# KiCad board jetson-agx-thor-baseboard.kicad_pcb (continued)
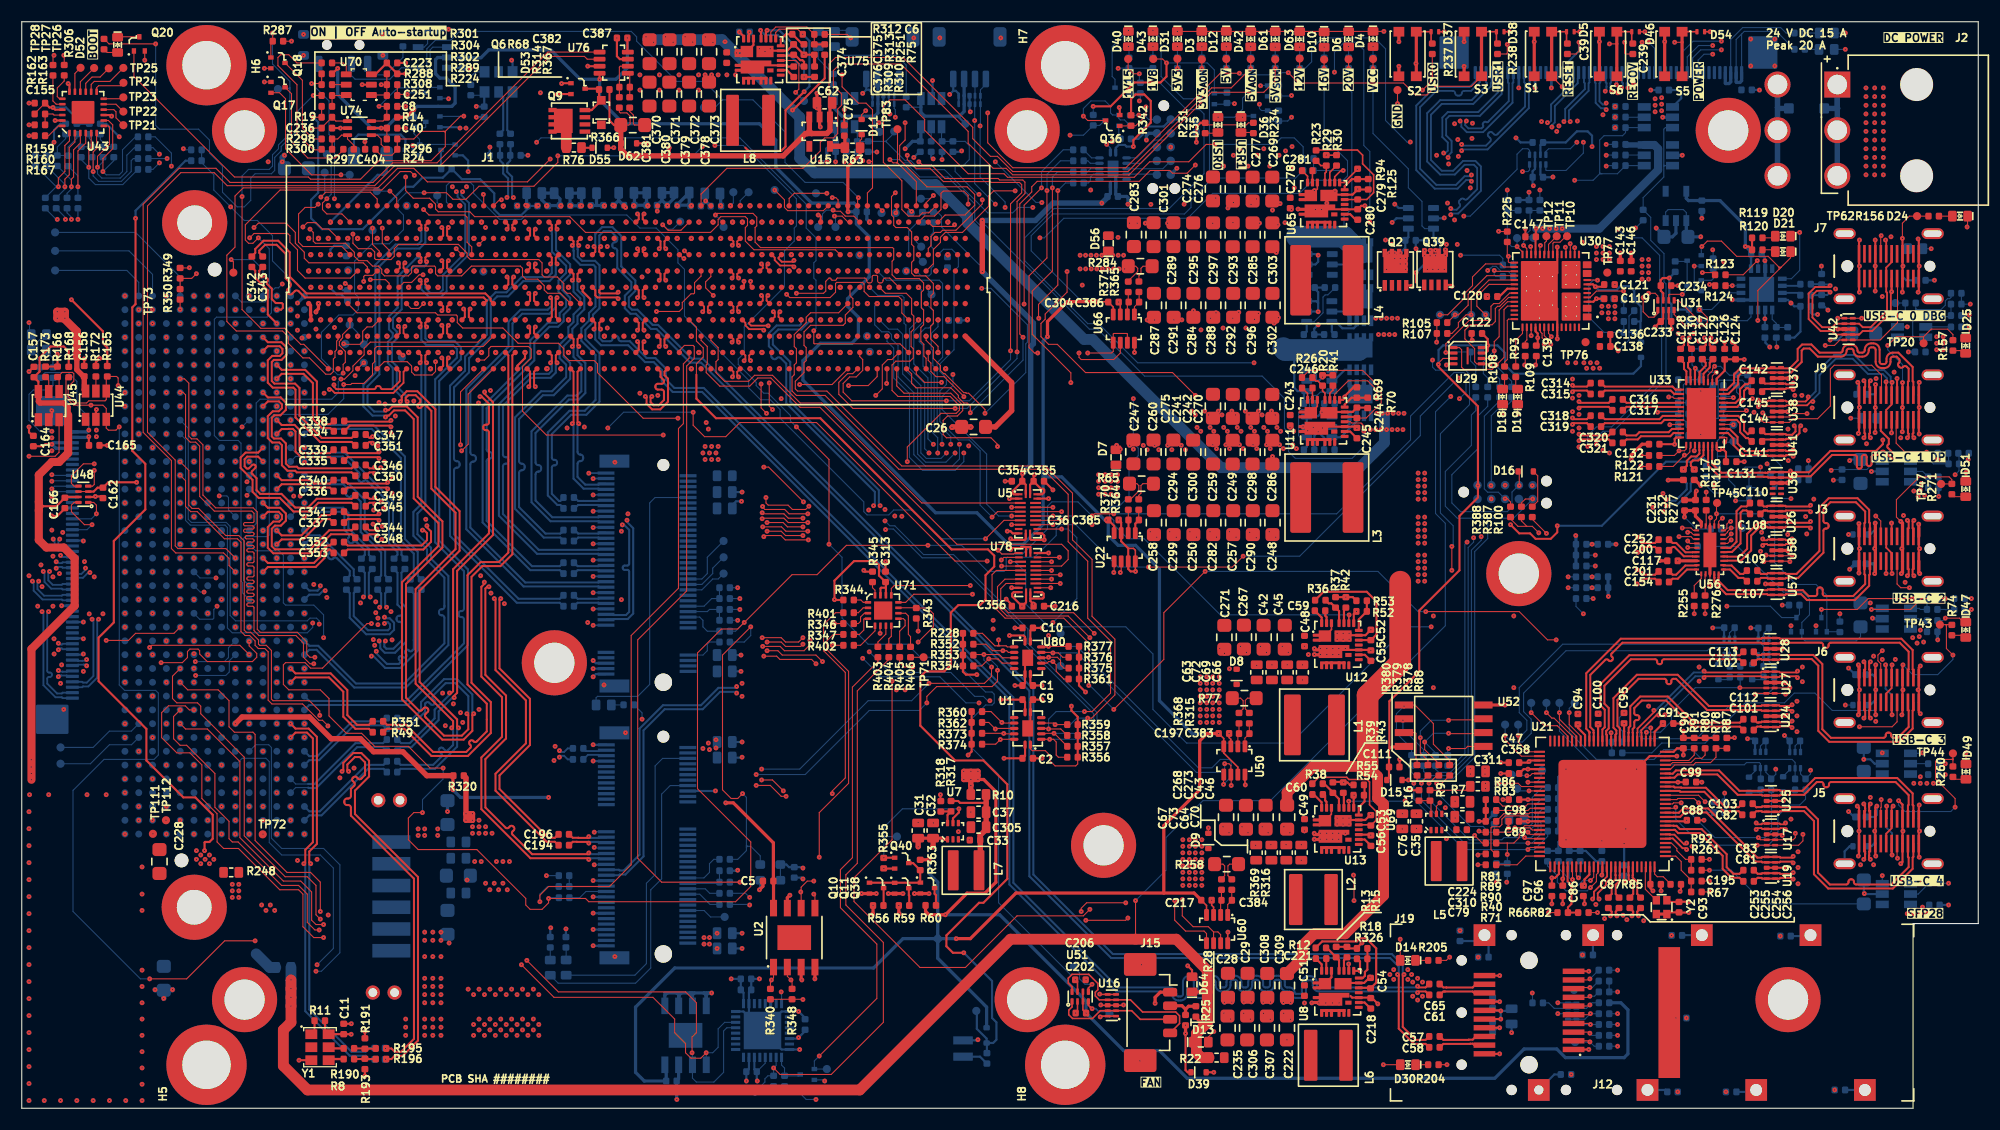
[diagram p0: board, top side]
## Routing (per net, layer and track width the routed paths; a pad name or vN(x,y) marks a point on that pad's centre or on a via; arc(x,y) is an arc through that point) (continued)
  In5.Cu w0.1: v1(81.97,40.61) 81.97,60.76 84.97,63.76 84.97,64.31 91.67,71.01 91.67,82.44 89.99,84.11 v1(88.07,84.11)
  Bottom w0.1: v1(88.07,84.11) 87.97,84.11 85.87,86.21 85.87,86.71 ; 85.87,86.71 82.29,86.71 81.79,87.21 81.27,87.21 79.54,88.94 ; 85.87,86.71 86.57,86.71 87.17,87.31 87.17,88.61 86.79,88.99 R244.2 R243.1 84.62,89.04 U55.4 ; 79.54,88.94 79.54,89.05 ; 79.54,88.94 79.49,88.99 ; 79.54,89.05 79.49,88.99 ; 79.54,89.05 80.27,89.77 TP97.1 ; 79.49,88.99 R236.2 R235.1 76.87,90.09 U53.4
/Peripherals/I2C_{CONN}.SCL: length 91.9
  Top w0.1: U80.11 94.42,41.46 v1(94.47,41.51) 95.27,41.51 95.57,41.21 95.57,40.81 95.87,40.51 R375.2
  In5.Cu w0.1: v1(90.47,82.91) 90.47,70.74 85.21,65.49 84.91,65.49 84.69,65.27 84.69,63.98 81.34,60.64 81.34,60.07 81.07,59.79 81.07,55.23 81.57,54.73 81.57,53.24 81.07,52.74 81.07,38.71 v1(81.27,38.51) ; v1(80.37,91.21) 80.97,91.81 85.09,91.81 86.49,90.41 v1(88.17,90.41)
  In7.Cu w0.1: v1(94.47,41.51) 92.27,41.51 89.27,38.51 v1(81.27,38.51)
  Bottom w0.1: v1(80.37,91.21) 80.37,91.91 80.27,92.01 U67.1 U67.10 80.27,93.81 80.7,94.24 J16.4 ; v1(90.47,82.91) 90.47,83.41 88.17,85.71 v1(88.17,90.41) 88.2,90.44 U68.1 U68.10 88.2,93.74 88.7,94.24 J17.4
/Peripherals/I2C_{CONN}.SDA: length 93.7
  Top w0.1: R361.2 95.87,39.51 95.17,40.21 95.17,40.81 v1(94.87,41.11) 94.47,41.11 94.33,40.97 U80.10
  In5.Cu w0.1: v1(89.57,83.21) 89.57,70.56 85.92,66.91 85.92,66.48 85.13,65.69 84.83,65.69 84.49,65.35 84.49,65.28 84.47,65.25 84.47,64.14 80.84,60.51 80.84,55.18 81.37,54.65 81.37,54.34 81.33,54.3 81.33,53.74 80.57,52.99 80.57,38.61 v1(80.47,38.51) ; v1(87.67,90.91) 87.67,92.11 87.27,92.51 80.87,92.51 v1(79.87,91.51)
  In7.Cu w0.1: v1(94.87,41.11) 92.47,41.11 89.47,38.11 80.87,38.11 v1(80.47,38.51)
  Bottom w0.1: J17.3 U68.9 U68.2 87.67,92.38 v1(87.67,90.91) 87.67,85.11 v1(89.57,83.21) ; J16.3 79.77,94.66 U67.9 U67.2 79.77,91.61 v1(79.87,91.51)
/Peripherals/TPM_IRQ: length 53.3
  Top w0.1: R404.2 79.77,41.31 76.87,38.41 76.87,22.54 75.82,21.49 75.82,18.71 79.27,15.26 79.27,7.91 74.47,3.11 69.77,3.11 v1(69.17,3.71)
  Bottom w0.1: U14.18 69.4,3.94 v1(69.17,3.71) R230.1 68.65,2.99 68.37,2.71 68.37,2.41 TP96.1
/Peripherals/TPM_RST: length 44.2
  Top w0.1: v1(73.37,4.81) 78.67,10.11 78.67,15.11 75.32,18.46 75.32,21.96 76.42,23.06 76.42,38.76 78.77,41.11 R403.2
  Bottom w0.1: TP95.1 Q1.1 72.92,4.36 v1(73.37,4.81)
/Power/USBPD1_HV: length 8.5
  Bottom w0.1: U61.1 117.62,61.76 117.47,61.91 117.47,64.01 117.77,64.31 118.27,64.31 118.47,64.51 118.47,65.21 118.87,65.61 119.17,65.61 119.47,65.91 120.44,65.91 U63.6
  Bottom w0.2: U61.1 118.22,60.87 C38.2
  vias: v1(142.22,68.61) v1(142.97,68.61) v1(143.72,68.61) v1(143.97,68.11) v1(144.32,68.61) v1(144.57,68.11) v1(144.92,68.61) v1(145.17,68.11)
/Power/USBPD2_HV: length 6.1
  Bottom w0.1: U62.1 118.89,72.38 119.72,73.21 119.72,74.66 119.92,74.86 120.16,74.86 C266.2
  Bottom w0.2: C240.2 118.21,71.48 U62.1
  vias: v1(149.07,78.11) v1(149.07,77.51) v1(149.07,76.91) v1(149.07,76.31) v1(149.67,78.11) v1(149.67,77.51) v1(149.67,76.91) v1(149.67,76.31)
/Recovery USB/USB0.D+: length 193.5
  Top w0.17: v1(36.65,76.21) 36.78,76.09 36.78,75.84 J1.F12 ; J3.A6 171.53,51.6 172.03,51.1 J3.B6 172.03,49.25 v1(172.07,49.21) ; v1(160.17,52.4) 160.29,52.28 160.56,52.28 160.64,52.35 U58.1 U58.10 162.24,52.35 162.31,52.28 162.74,52.28 v1(162.87,52.4)
  In7.Cu w0.125: v1(172.07,49.21) 171.91,49.37 171.91,49.98 171.57,50.32 166.52,50.32 165.12,51.72 164.12,51.72 163.63,52.21 163.06,52.21 v1(162.87,52.4) ; v1(160.17,52.4) 160.36,52.21 160.7,52.21 161.01,52.52 161.01,68.11 162.26,69.36 162.26,70.56 161.62,71.2 159.62,71.2 158.42,72.4 157.12,72.4 156.26,73.26 156.26,75.86 149.72,82.4 133.02,82.4 129.72,85.7 89.82,85.7 88.36,87.16 88.36,88.46 80.42,96.4 49.52,96.4 40.38,87.26 40.38,84.53 v1(40.56,84.36)
  Bottom w0.17: v1(40.56,84.36) 40.44,84.25 40.44,84.03 41.14,83.33 41.14,78.59 39.09,76.54 39.09,75.19 38.59,74.69 37.45,74.69 36.78,75.36 36.78,76.09 v1(36.65,76.21)
/Recovery USB/USB0.D-: length 196.7
  Top w0.17: v1(162.87,51.8) 162.74,51.93 162.31,51.93 162.24,51.85 U58.9 U58.2 160.64,51.85 160.56,51.93 160.29,51.93 v1(160.17,51.8) ; v1(172.02,53.86) 172.03,53.85 J3.A7 ; J1.F13 37.12,75.84 37.12,76.09 v1(37.25,76.21) ; v1(171.52,49.21) 171.53,49.22 J3.B7
  In2.Cu w0.125: v1(172.02,53.86) 172.02,51.86 171.52,51.36 v1(171.52,49.21)
  In7.Cu w0.125: v1(171.52,49.21) 171.68,49.37 171.68,49.89 171.47,50.1 166.42,50.1 165.02,51.5 164.02,51.5 163.53,51.99 163.06,51.99 v1(162.87,51.8) ; v1(160.17,51.8) 160.36,51.99 160.8,51.99 161.23,52.42 161.23,68.01 162.48,69.26 162.48,70.66 161.72,71.42 159.72,71.42 158.52,72.62 157.22,72.62 156.48,73.36 156.48,75.96 149.82,82.62 133.12,82.62 129.82,85.92 89.92,85.92 88.58,87.26 88.58,88.56 80.52,96.62 49.42,96.62 40.16,87.36 40.16,84.53 v1(39.98,84.36)
  Bottom w0.17: v1(39.98,84.36) 40.09,84.25 40.09,83.89 40.79,83.19 40.79,78.73 38.74,76.68 38.74,75.33 38.45,75.04 37.59,75.04 37.12,75.5 37.12,76.09 v1(37.25,76.21)
/Recovery USB/USBC2_ADDR: length 16.9
  Top w0.1: v1(157.27,52.31) 156.94,51.98 U56.22
  In5.Cu w0.1: v1(144.47,51.91) 144.37,51.81 144.37,50.71 144.57,50.51 149.67,50.51 150.27,51.11 156.07,51.11 v1(157.27,52.31)
  Bottom w0.3: R253.2 v1(144.47,51.91) R252.1
/Recovery USB/USBC2_CC1: length 30.4
  Top w0.1: v1(170.57,54.51) 171.03,54.05 J3.A5 ; U56.2 153.79,52.79 153.57,53.01 v1(153.27,53.01) ; v1(162.67,50.31) 162.63,50.35 U58.6 U58.5 160.31,50.35 v1(160.27,50.31)
  In5.Cu w0.1: v1(160.27,50.31) 159.57,50.31 158.87,51.01 158.87,54.11 157.77,55.21 155.47,55.21 v1(153.27,53.01)
  In7.Cu w0.1: v1(170.57,54.51) 169.37,53.31 167.97,53.31 167.07,52.41 163.77,52.41 162.97,53.21 162.27,53.21 161.87,52.81 161.87,50.61 162.17,50.31 v1(162.67,50.31)
/Recovery USB/USBC2_CC2: length 33.4
  Top w0.1: U56.1 153.8,53.18 153.57,53.41 v1(152.77,53.41) ; J3.B5 172.53,48.25 172.87,47.91 v1(173.67,47.91) ; v1(162.87,50.91) 162.81,50.85 U58.7 U58.4 160.53,50.85 v1(160.47,50.91)
  In5.Cu w0.1: v1(160.47,50.91) 160.27,50.91 160.07,50.71 159.67,50.71 159.17,51.21 159.17,54.51 158.17,55.51 154.87,55.51 v1(152.77,53.41)
  In7.Cu w0.1: v1(173.67,47.91) 171.57,47.91 170.87,47.21 166.57,47.21 165.77,48.01 165.77,49.61 164.47,50.91 v1(162.87,50.91)
/Recovery USB/USBC2_CONN_TX1_N: length 18.6
  Top w0.19: C107.1 159.7,48.51 160,48.81 160.54,48.81 160.54,48.81 160.58,48.81 160.64,48.75 U57.7 U57.4 162.24,48.75 162.3,48.81 163.43,48.81 165.75,51.13 165.75,53.16 arc(165.81,53.3) 165.95,53.36 166.03,53.36 arc(166.17,53.41) 166.23,53.56 166.23,53.66 arc(166.17,53.8) 166.03,53.86 165.95,53.86 arc(165.81,53.91) 165.75,54.06 165.75,55.13 166.4,55.78 168.74,55.78 169.59,54.92 169.59,53.92 169.53,53.86 J3.A2
/Recovery USB/USBC2_CONN_TX1_P: length 18.6
  Top w0.19: J3.A3 170.03,53.86 169.97,53.92 169.97,55.08 168.9,56.15 166.24,56.15 165.38,55.29 165.38,51.29 163.28,49.18 162.3,49.18 162.24,49.25 U57.5 U57.6 160.64,49.25 160.58,49.18 160.4,49.18 160.4,49.18 160,49.18 159.7,49.49 C109.1
/Recovery USB/USBC2_CONN_TX2_N: length 21.8
  Top w0.19: v1(164.57,54.9) 164.45,55.01 162.3,55.01 162.24,54.95 U26.4 U26.7 160.64,54.95 160.58,55.01 160.4,55.01 160.4,55.01 160.27,55.01 C108.1 ; J3.B3 173.53,49.68 173.59,49.61 173.59,49.13 v1(173.48,49.01)
  In7.Cu w0.15: v1(173.48,49.01) 173.64,49.17 173.64,50.14 173.21,50.57 172.06,50.57 171.08,51.55 171.08,54.75 169.76,56.07 167.81,56.07 arc(167.71,56.03) 167.67,55.93 167.67,55.86 arc(167.62,55.77) 167.53,55.72 167.46,55.72 arc(167.36,55.77) 167.32,55.86 167.32,55.93 arc(167.27,56.03) 167.18,56.07 166.63,56.07 165.61,55.06 164.73,55.06 v1(164.57,54.9)
/Recovery USB/USBC2_CONN_TX2_P: length 21.8
  Top w0.19: J3.B2 174.03,49.68 173.97,49.61 173.97,49.13 v1(174.08,49.01) ; C110.1 160.27,55.38 160.54,55.38 160.54,55.38 160.58,55.38 160.64,55.45 U26.6 U26.5 162.24,55.45 162.3,55.38 164.45,55.38 v1(164.57,55.5)
  In7.Cu w0.15: v1(164.57,55.5) 164.73,55.34 165.5,55.34 166.51,56.35 169.88,56.35 171.36,54.87 171.36,51.67 172.18,50.85 173.33,50.85 173.92,50.26 173.92,49.17 v1(174.08,49.01)
/Recovery USB/USBC2_DIR: length 2.3
  Top w0.1: R255.1 153.87,48.11 154.51,48.76 U56.11
/Recovery USB/USBC2_FAULT_N: length 3
  Top w0.1: v1(157.27,53.41) 156.92,53.06 156.92,53.01 156.69,52.79 U56.24
  Bottom w0.1: R256.1 156.45,53.41 v1(157.27,53.41) TP46.1
/Recovery USB/USBC2_I2C_SCL: length 23.4
  Top w0.1: U56.26 156.12,54.01 156.42,54.31 v1(156.47,54.31)
  In5.Cu w0.1: v1(156.47,54.31) 156.87,54.71 157.57,54.71 158.27,54.01 158.27,51.91 154.07,47.71 147.77,47.71 146.57,48.91 v1(144.47,48.91)
  Bottom w0.1: R280.2 144.48,48.92 v1(144.47,48.91) R282.2
  Bottom w0.3: R282.2 144.97,48.91 R280.2
/Recovery USB/USBC2_I2C_SDA: length 23.3
  Top w0.1: v1(157.22,54.01) 157.12,54.01 156.87,53.76 156.87,53.36 156.69,53.18 U56.25
  In5.Cu w0.1: v1(144.47,47.91) 143.57,47.91 143.37,48.11 143.37,52.51 144.67,53.81 151.37,53.81 152.07,53.11 152.5,53.11 153,52.61 155.82,52.61 v1(157.22,54.01)
  Bottom w0.3: R281.2 v1(144.47,47.91) R279.2
/Recovery USB/USBC2_I_MODE: length 15.1
  Top w0.1: v1(152.47,52.61) 153.57,52.61 153.79,52.39 U56.3
  In5.Cu w0.1: v1(152.47,52.61) 151.27,52.61 150.47,53.41 145.07,53.41 143.87,52.21 143.87,50.11 144.07,49.91 v1(144.77,49.91)
  Bottom w0.1: R278.1 v1(144.77,49.91)
/Recovery USB/USBC2_ID: length 98.9
  Top w0.1: U56.27 155.71,54.06 155.92,54.26 155.92,55.66 TP45.1 ; 91.74,49.9 v1(90.14,49.9)
  In7.Cu w0.1: v1(90.14,49.9) 92.22,49.9 93.81,51.49 129.85,51.49 131.47,53.11 138.67,53.11 140.07,51.71 142.27,51.71 146.67,47.31 153.47,47.31 155.92,49.76 v1(155.92,54.71)
  Bottom w0.1: v1(155.92,54.71) 159.77,54.71 161.27,53.21 161.27,50.21 163.27,48.21 165.07,48.21 166.07,47.21 Q19.1 167.24,43.86 R266.2
/Recovery USB/USBC2_ISET: length 1.6
  Bottom w0.1: R270.2 174.69,44.89 174.52,45.06 U23.5
/Recovery USB/USBC2_PEN: length 114
  Top w0.1: v1(141.17,43.11) 140.37,43.11 137.77,45.71 v1(129.17,45.71) ; v1(100.47,36.71) 105.07,41.31 105.07,45.61 v1(108.87,49.41) ; 91.74,49.5 89.66,49.5 89.27,49.11 89.27,46.31 90.47,45.11 95.87,45.11 98.17,42.81 v1(98.17,38.91)
  In5.Cu w0.1: v1(179.37,45.91) 179.02,45.91 177.52,44.41 166.47,44.41 165.17,43.11 v1(141.17,43.11)
  Bottom w0.1: v1(179.37,45.91) 179.34,45.89 R339.1 ; v1(129.17,45.71) 128.47,45.71 124.77,49.41 v1(108.87,49.41) ; v1(98.17,38.91) 98.27,38.91 v1(100.47,36.71)
/Recovery USB/USBC2_PORT: length 11.4
  Top w0.1: U56.4 153.5,51.98 v1(153.27,52.21)
  In5.Cu w0.1: v1(144.77,50.91) 146.79,52.94 150.04,52.94 150.77,52.21 v1(153.27,52.21)
  Bottom w0.1: R254.2 v1(144.77,50.91)
/Recovery USB/USBC2_RX1_N: length 18.6
  Top w0.19: U56.14 155.71,48.85 155.73,48.83 155.73,48.39 156.8,47.32 160.58,47.32 160.64,47.25 U57.10 U57.1 162.24,47.25 162.3,47.32 163.7,47.32 164.24,46.78 168.65,46.78 169.97,48.09 169.97,49.08 170.03,49.14 J3.B10
/Recovery USB/USBC2_RX1_P: length 18.6
  Top w0.19: U56.15 156.12,48.85 156.1,48.83 156.1,48.54 156.96,47.69 160.58,47.69 160.64,47.75 U57.9 U57.2 162.24,47.75 162.3,47.69 163.86,47.69 164.4,47.15 164.99,47.15 arc(165.13,47.2) 165.19,47.35 165.19,47.73 arc(165.25,47.87) 165.39,47.93 165.49,47.93 arc(165.63,47.87) 165.69,47.73 165.69,47.35 arc(165.75,47.2) 165.89,47.15 168.49,47.15 169.59,48.25 169.59,49.08 169.53,49.14 J3.B11
/Recovery USB/USBC2_RX2_N: length 28.8
  Top w0.19: J3.A11 174.03,53.33 173.97,53.39 173.97,54 v1(174.08,54.11) ; U56.18 156.89,50.39 156.9,50.4 158.17,50.4 159.1,51.33 159.1,52.71 159.91,53.52 160.58,53.52 160.64,53.45 U26.10 U26.1 162.24,53.45 162.3,53.52 164.45,53.52 v1(164.57,53.4)
  In7.Cu w0.15: v1(174.08,54.11) 173.92,54.27 173.92,55.81 172.38,57.35 164.76,57.35 163.18,55.77 163.18,54.4 164.02,53.56 164.41,53.56 v1(164.57,53.4)
/Recovery USB/USBC2_RX2_P: length 28.8
  Top w0.19: v1(173.48,54.11) 173.59,54 173.59,53.39 173.53,53.33 J3.A10 ; v1(164.57,54) 164.45,53.89 162.3,53.89 162.24,53.95 U26.2 U26.9 160.64,53.95 160.58,53.89 159.76,53.89 158.73,52.86 158.73,51.49 158.02,50.77 156.9,50.77 156.89,50.79 U56.19
  In7.Cu w0.15: v1(164.57,54) 164.41,53.84 164.14,53.84 163.46,54.52 163.46,55.65 164.88,57.07 168.34,57.07 arc(168.43,57.03) 168.48,56.93 168.48,56.75 arc(168.52,56.65) 168.62,56.61 168.69,56.61 arc(168.78,56.65) 168.83,56.75 168.83,56.93 arc(168.87,57.03) 168.97,57.07 169.04,57.07 arc(169.13,57.03) 169.18,56.93 169.18,56.75 arc(169.22,56.65) 169.32,56.61 169.39,56.61 arc(169.48,56.65) 169.53,56.75 169.53,56.93 arc(169.57,57.03) 169.67,57.07 172.26,57.07 173.64,55.69 173.64,54.27 v1(173.48,54.11)
/Recovery USB/USBC2_TX1_N: length 2.6
  Top w0.19: C107.2 158.69,48.51 158.39,48.81 157.93,48.81 157.16,49.59 U56.16
/Recovery USB/USBC2_TX1_P: length 2.7
  Top w0.19: U56.17 156.54,49.96 157.31,49.96 158.08,49.18 158.39,49.18 158.69,49.49 C109.2
/Recovery USB/USBC2_TX2_N: length 5.9
  Top w0.19: U56.20 156.89,51.18 156.9,51.2 157.35,51.2 158.13,51.98 158.13,54.81 158.34,55.02 158.68,55.02 C108.2
/Recovery USB/USBC2_TX2_P: length 5.9
  Top w0.19: C110.2 158.68,55.39 158.19,55.39 157.76,54.96 157.76,52.14 157.19,51.57 156.9,51.57 156.89,51.59 U56.21
/Recovery USB/USBC2_VBUS: length 44.3
  Top w0.1: TP47.1 177.56,57.46 R271.2 177.57,57.86 177.32,58.11 174.57,58.11 172.47,56.01 172.47,54.41 v1(172.87,54.01)
  Top w0.3: v1(172.87,54.01) 173.03,53.85 J3.A9 173.03,51.57 v1(172.97,51.51) 173.03,51.45 J3.B4 173.03,49.32 v1(172.92,49.21) ; v1(170.52,53.86) 170.53,53.85 J3.A4 170.53,51.57 v1(170.47,51.51) 170.53,51.45 J3.B9 170.53,49.27 v1(170.47,49.21)
  Bottom w0.1: C115.1 169.17,43.41 168.77,43.01 164.07,43.01 163.77,43.31 Q15.1 163.77,44.71 164.47,45.41 164.47,46.91 163.87,47.51 162.07,47.51 157.87,51.71 R267.2
  Bottom w0.2: D50.1 170.07,52.81 170.52,53.26 v1(170.52,53.86)
  Bottom w0.3: C116.1 170.37,50.11 170.47,50.01 v1(170.47,49.21) ; 170.47,53.81 v1(170.52,53.86)
/Recovery USB/USBC2_VBUS_DET: length 83.4
  Top w0.1: U78.14 90.36,50.7 v1(90.12,50.46)
  In7.Cu w0.1: v1(90.12,50.46) 89.77,50.46 89.27,49.96 89.27,48.91 91.27,46.91 96.87,46.91 98.67,48.71 122.27,48.71 126.27,44.71 139.87,44.71 141.37,46.21 v1(156.87,46.21)
  Bottom w0.1: v1(156.87,46.21) 160.87,46.21 161.92,45.16 Q15.3 163.55,45.44 R338.2
/Recovery USB/USBC2_VBUS_DET_MUX: length 1.8
  Top w0.1: U56.5 153.29,51.59 v1(153.27,51.61)
  Bottom w0.1: R267.1 154.09,51.61 v1(153.27,51.61)
/Recovery USB/USBSS0.RX+: length 155.6
  Top w0.19: v1(58.65,70.11) 58.77,70.23 58.77,70.8 J1.C34 ; C154.1 150.56,48.44 150.26,48.74 149.18,48.74 v1(149.07,48.62)
  In7.Cu w0.15: v1(149.07,48.62) 149.23,48.79 152.14,48.79 154.51,51.15 154.51,54.55 156.41,56.45 156.41,59.77 156.01,60.17 156.01,62.17 147.53,70.65 141.81,70.65 141.01,69.85 139.33,69.85 137.13,72.05 129.73,72.05 128.26,73.51 124.86,73.51 121.83,76.55 87.43,76.55 86.21,77.77 86.21,78.67 85.43,79.45 82.03,79.45 81.61,79.87 81.61,82.21 75.87,87.95 57.11,87.95 54.83,85.67 54.83,81.3 55.55,80.58 55.55,79.25 56.93,77.87 58.21,77.87 60.03,76.05 60.03,75.12 58.81,73.9 58.81,70.27 v1(58.65,70.11)
/Recovery USB/USBSS0.RX-: length 155.6
  Top w0.19: C201.1 150.56,49.41 150.26,49.11 149.18,49.11 v1(149.07,49.22) ; v1(59.25,70.11) 59.14,70.23 59.14,70.8 J1.C35
  In7.Cu w0.15: v1(59.25,70.11) 59.09,70.27 59.09,73.78 60.31,75 60.31,76.17 58.33,78.15 57.05,78.15 55.83,79.37 55.83,80.7 55.11,81.42 55.11,85.55 55.91,86.35 arc(56.05,86.41) 56.18,86.35 arc(56.32,86.3) 56.46,86.35 56.61,86.51 arc(56.66,86.64) 56.61,86.78 arc(56.55,86.92) 56.61,87.05 57.23,87.67 75.76,87.67 81.33,82.1 81.33,79.75 81.91,79.17 85.31,79.17 85.93,78.55 85.93,77.65 87.31,76.27 121.71,76.27 124.75,73.24 128.15,73.24 129.61,71.77 137.01,71.77 139.21,69.57 141.13,69.57 141.93,70.37 147.41,70.37 155.73,62.05 155.73,60.05 156.13,59.65 156.13,56.57 154.23,54.67 154.23,51.27 153.65,50.69 arc(153.54,50.64) 153.43,50.69 153.23,50.89 arc(153.12,50.93) 153,50.89 152.95,50.83 arc(152.9,50.72) 152.95,50.6 153.14,50.41 arc(153.19,50.29) 153.14,50.18 152.03,49.06 149.23,49.06 v1(149.07,49.22)
/Recovery USB/USBSS0.TX+: length 132.5
  Top w0.19: J1.K32 56.77,81.83 56.77,82.2 v1(56.65,82.31) ; v1(149.07,51.54) 149.18,51.66 150.26,51.66 150.56,51.36 C200.1
  In7.Cu w0.15: v1(149.07,51.54) 149.23,51.71 150.86,51.71 152.21,53.05 152.21,54.65 153.41,55.85 153.41,56.95 154.81,58.35 154.81,60.97 146.33,69.45 141.71,69.45 141.41,69.15 130.53,69.15 127.58,72.1 123.88,72.1 120.93,75.05 86.33,75.05 84.93,76.45 78.43,76.45 78.21,76.67 78.21,80.35 78.76,80.9 78.76,83.06 75.28,86.54 57.7,86.54 56.81,85.65 56.81,82.47 v1(56.65,82.31)
/Recovery USB/USBSS0.TX-: length 132.5
  Top w0.19: C252.1 150.56,52.33 150.26,52.03 149.18,52.03 v1(149.07,52.14) ; v1(57.25,82.31) 57.14,82.2 57.14,81.83 J1.K33
  In7.Cu w0.15: v1(149.07,52.14) 149.23,51.98 150.75,51.98 151.06,52.29 arc(151.1,52.41) 151.06,52.52 151,52.58 arc(150.95,52.69) 151,52.8 151.06,52.86 arc(151.17,52.91) 151.28,52.86 151.34,52.8 arc(151.45,52.76) 151.57,52.8 151.93,53.17 151.93,54.77 153.13,55.97 153.13,57.07 154.53,58.47 154.53,60.85 146.21,69.17 141.83,69.17 141.53,68.87 130.41,68.87 127.46,71.82 123.76,71.82 120.81,74.77 86.21,74.77 84.81,76.17 78.31,76.17 77.93,76.55 77.93,80.47 78.48,81.02 78.48,82.95 75.17,86.26 59.09,86.26 arc(58.99,86.22) 58.95,86.12 58.95,85.86 arc(58.91,85.76) 58.81,85.72 58.74,85.72 arc(58.64,85.76) 58.6,85.86 58.6,86.12 arc(58.56,86.22) 58.46,86.26 57.81,86.26 57.09,85.53 57.09,82.47 v1(57.25,82.31)
/Recovery USB/USBSS_RX_N: length 3
  Top w0.19: C154.2 151.57,48.44 151.88,48.74 152.36,48.74 153.21,49.59 U56.10
/Recovery USB/USBSS_RX_P: length 3.1
  Top w0.19: C201.2 151.57,49.41 151.88,49.11 152.21,49.11 153.05,49.96 154.09,49.96 U56.9
/Recovery USB/USBSS_TX_N: length 3.1
  Top w0.19: C200.2 151.57,51.36 151.88,51.66 152.06,51.66 152.92,50.8 153.73,50.8 153.74,50.79 U56.7
/Recovery USB/USBSS_TX_P: length 3.1
  Top w0.19: U56.6 153.74,51.18 153.73,51.17 153.07,51.17 152.21,52.03 151.88,52.03 151.57,52.33 C252.2
/Recovery USB/~{USBC2_EN_CC}: length 1.5
  Top w0.1: R277.2 154.97,53.64 U56.29
/Recovery USB/~{USBC2_EN_MUX}: length 2
  Top w0.1: U56.12 154.87,49.14 R276.2
/Recovery USB/~{USBC2_INT_R}: length 22.2
  Top w0.1: v1(157.27,52.86) 156.79,52.39 U56.23
  In5.Cu w0.1: v1(157.27,52.86) 157.72,52.86 157.87,52.71 157.87,52.11 155.47,49.71 150.87,49.71 150.57,50.01 147.87,50.01 147.37,49.51 144.17,49.51 143.77,49.11 143.77,48.61 143.97,48.41 144.87,48.41 145.27,48.01 145.27,47.31 144.87,46.91 v1(144.57,46.91)
  Bottom w0.1: R283.2 v1(144.57,46.91)
/Recovery USB/~{USBC2_INT}: length 71.7
  Top w0.1: 91.74,50.3 v1(90.94,50.3)
  In7.Cu w0.1: v1(129.67,44.31) 142.47,44.31 v1(143.67,45.51)
  Bottom w0.1: R283.1 142.99,46.19 v1(143.67,45.51) ; v1(90.94,50.3) 91.38,50.3 92.37,49.31 92.37,46.41 94.47,44.31 101.57,44.31 104.07,41.81 104.07,36.71 107.17,33.61 116.77,33.61 127.47,44.31 v1(129.67,44.31)
/SFP/I2C_{SFP}.SCL: length 87.6
  Top w0.1: R360.2 89.17,36.51 v1(90.17,35.51) 90.27,35.51 90.33,35.45 U1.10
  In7.Cu w0.1: v1(90.17,35.51) 91.62,35.51 92.82,36.71 94.07,36.71 95.58,38.22 95.58,42.72 97.57,44.71 106.32,44.71 121.48,29.55 122.86,29.55 123.67,28.74 123.67,24.36 129.57,18.46 137.82,18.46 142.67,13.61 142.67,9.36 143.82,8.21 145.57,8.21 146.07,8.71 v1(146.82,8.71)
  Bottom w0.1: R186.1 146.81,8.7 v1(146.82,8.71)
/SFP/I2C_{SFP}.SDA: length 94.1
  Top w0.1: R362.2 88.97,35.51 v1(89.57,34.91) 89.67,34.91 89.72,34.96 U1.11
  In7.Cu w0.1: v1(89.57,34.91) 89.65,34.99 91.6,34.99 92.97,36.36 94.22,36.36 95.93,38.07 95.93,42.57 97.72,44.36 106.17,44.36 121.31,29.22 122.65,29.22 123.32,28.55 123.32,24.21 129.42,18.11 137.67,18.11 142.32,13.46 142.32,5.46 143.32,4.46 144.32,4.46 145.07,5.21 145.07,7.21 145.57,7.71 v1(146.82,7.71)
  Bottom w0.1: R185.1 v1(146.82,7.71)
/SFP/MOD_ABS: length 234.6
  Top w0.1: v1(20.97,80.11) 21.37,80.51 24.47,80.51 24.67,80.31 24.67,79.71 25.37,79.01 25.37,77.11 26.07,76.41 30.25,76.41 J1.G6
  In7.Cu w0.1: v1(20.97,80.11) 20.97,77.26 20.34,76.64 20.34,70.79 19.87,70.31 12.07,70.31 9.27,67.51 8.87,67.51 7.87,66.51 7.87,62.11 7.37,61.61 7.37,48.51 4.47,45.61 4.47,39.61 7.27,36.81 7.27,16.31 9.72,13.86 22.87,13.86 23.74,12.99 25.77,12.99 27.17,11.59 39.29,11.59 40.17,10.71 40.17,10.21 40.52,9.86 65.62,9.86 66.07,9.41 78.37,9.41 80.37,11.41 85.67,11.41 93.77,19.51 98.37,19.51 102.17,15.71 115.67,15.71 120.87,10.51 126.57,10.51 127.52,9.56 131.57,9.56 132.62,10.61 v1(138.97,10.61)
  Bottom w0.1: v1(138.97,10.61) 138.99,10.59 R187.1
/SFP/SCL_SFP: length 4.6
  Top w0.1: v1(144.32,8.71) 144.22,8.61 J12.5
  Bottom w0.1: R186.2 144.33,8.7 v1(144.32,8.71) 143.81,8.2 U73.9 U73.2
/SFP/SDA_SFP: length 4.4
  Top w0.1: J12.4 144.22,7.81 v1(144.32,7.71)
  Bottom w0.1: R185.2 v1(144.32,7.71) 144.31,7.7 U73.1
/SFP/SFI.RX+: length 126.7
  Top w0.19: v1(52.65,71.71) 52.77,71.83 52.77,72.3 J1.D28 ; v1(128.42,10.64) 128.53,10.75 129.15,10.75 129.46,10.44 C61.2
  Bottom w0.19: v1(128.42,10.64) 128.3,10.75 119.36,10.75 arc(118.95,10.92) 118.78,11.34 118.78,11.57 arc(118.71,11.72) 118.56,11.79 118.36,11.79 arc(118.21,11.72) 118.15,11.57 118.15,10.64 arc(118.01,10.3) 117.67,10.16 117.21,10.16 arc(116.87,10.3) 116.73,10.64 arc(116.7,10.72) 116.62,10.75 116.42,10.75 arc(116,10.92) 115.83,11.34 115.83,11.61 arc(115.77,11.77) 115.62,11.83 115.42,11.83 arc(115.27,11.77) 115.2,11.61 115.2,11.34 arc(115.03,10.92) 114.62,10.75 114.42,10.75 arc(114,10.92) 113.83,11.34 113.83,11.61 arc(113.77,11.76) 113.62,11.83 113.42,11.83 arc(113.27,11.76) 113.2,11.61 113.2,11.34 arc(113.03,10.92) 112.62,10.75 112.42,10.75 arc(112,10.92) 111.83,11.34 111.83,11.61 arc(111.77,11.76) 111.62,11.83 111.42,11.83 arc(111.27,11.76) 111.2,11.61 111.2,11.34 arc(111.03,10.92) 110.62,10.75 110.42,10.75 arc(110,10.92) 109.83,11.34 109.83,11.61 arc(109.77,11.76) 109.62,11.83 109.42,11.83 arc(109.27,11.76) 109.2,11.61 109.2,10.64 arc(109.06,10.29) 108.72,10.15 108.32,10.15 arc(107.98,10.29) 107.83,10.64 107.83,11.61 arc(107.77,11.76) 107.62,11.83 107.42,11.83 arc(107.27,11.76) 107.2,11.61 107.2,10.51 arc(107.03,10.09) 106.62,9.92 106.42,9.92 arc(106,10.09) 105.83,10.51 105.83,10.53 arc(105.77,10.69) 105.62,10.75 100.71,10.75 90.86,20.6 90.86,37.66 62.59,65.93 59.89,65.93 58.88,66.93 58.88,67.93 58.14,68.68 57.34,68.68 55.79,70.23 53.29,70.23 52.77,70.75 52.77,71.6 v1(52.65,71.71)
/SFP/SFI.RX-: length 126.7
  Top w0.19: C65.2 129.46,11.44 129.15,11.12 128.53,11.12 v1(128.42,11.24) ; J1.D29 53.14,72.3 53.14,71.83 v1(53.25,71.71)
  Bottom w0.19: v1(53.25,71.71) 53.14,71.6 53.14,70.91 53.45,70.6 54.13,70.6 arc(54.29,70.66) 54.35,70.82 54.35,70.87 arc(54.41,71.03) 54.57,71.09 54.68,71.09 arc(54.84,71.03) 54.9,70.87 54.9,70.82 arc(54.96,70.66) 55.12,70.6 55.95,70.6 57.5,69.05 58.3,69.05 59.25,68.09 59.25,67.09 60.05,66.3 62.75,66.3 91.23,37.81 91.23,20.75 100.86,11.12 105.62,11.12 arc(106.03,10.95) 106.2,10.53 106.2,10.51 arc(106.27,10.36) 106.42,10.29 106.62,10.29 arc(106.77,10.36) 106.83,10.51 106.83,11.61 arc(107,12.03) 107.42,12.2 107.62,12.2 arc(108.03,12.03) 108.2,11.61 108.2,10.64 arc(108.24,10.55) 108.32,10.52 108.72,10.52 arc(108.8,10.55) 108.83,10.64 108.83,11.61 arc(109,12.03) 109.42,12.2 109.62,12.2 arc(110.03,12.03) 110.2,11.61 110.2,11.34 arc(110.27,11.18) 110.42,11.12 110.62,11.12 arc(110.77,11.18) 110.83,11.34 110.83,11.61 arc(111,12.03) 111.42,12.2 111.62,12.2 arc(112.03,12.03) 112.2,11.61 112.2,11.34 arc(112.27,11.18) 112.42,11.12 112.62,11.12 arc(112.77,11.18) 112.83,11.34 112.83,11.61 arc(113,12.03) 113.42,12.2 113.62,12.2 arc(114.03,12.03) 114.2,11.61 114.2,11.34 arc(114.27,11.18) 114.42,11.12 114.62,11.12 arc(114.77,11.18) 114.83,11.34 114.83,11.61 arc(115,12.03) 115.42,12.2 115.62,12.2 arc(116.03,12.03) 116.2,11.61 116.2,11.34 arc(116.27,11.18) 116.42,11.12 116.62,11.12 arc(116.96,10.98) 117.1,10.64 arc(117.13,10.56) 117.21,10.53 117.67,10.53 arc(117.74,10.56) 117.78,10.64 117.78,11.57 arc(117.95,11.98) 118.36,12.16 118.56,12.16 arc(118.97,11.98) 119.15,11.57 119.15,11.34 arc(119.21,11.18) 119.36,11.12 128.3,11.12 v1(128.42,11.24)
/SFP/SFI.TX+: length 127.5
  Top w0.19: v1(127.17,12.31) 127.05,12.2 127.05,7.49 128.25,6.3 129.15,6.3 129.46,6.61 C57.2 ; J1.H28 52.77,78.83 52.77,79.2 v1(52.65,79.31)
  Bottom w0.19: v1(52.65,79.31) 52.77,79.43 52.77,80.47 53.39,81.1 54.35,81.1 55.15,80.29 55.15,77.49 56.45,76.19 56.45,75.23 55.85,74.63 55.85,73.79 56.15,73.5 56.65,73.5 58.05,72.1 58.55,72.1 61.65,69 62.65,69 93.07,38.57 93.07,21.51 100.38,14.2 126.05,14.2 127.05,13.19 127.05,12.43 v1(127.17,12.31)
/SFP/SFI.TX-: length 127.5
  Top w0.19: J1.H29 53.14,78.83 53.14,79.2 53.25,79.31 v1(53.27,79.31) ; C58.2 129.46,5.61 129.15,5.93 128.09,5.93 126.68,7.33 126.68,12.2 v1(126.57,12.31)
  Bottom w0.19: v1(126.57,12.31) 126.68,12.43 126.68,13.03 125.89,13.83 100.23,13.83 92.7,21.36 92.7,38.42 62.49,68.63 61.49,68.63 58.39,71.73 57.89,71.73 56.49,73.13 55.99,73.13 55.48,73.63 55.48,74.79 56.08,75.39 56.08,76.03 54.78,77.33 54.78,78.93 arc(54.72,79.09) 54.56,79.15 54.55,79.15 arc(54.4,79.22) 54.33,79.37 54.33,79.48 arc(54.4,79.64) 54.55,79.7 54.56,79.7 arc(54.72,79.77) 54.78,79.92 54.78,80.13 54.19,80.73 53.55,80.73 53.14,80.31 53.14,79.44 v1(53.27,79.31)
/SFP/SFI_CONN_RX_N: length 4.2
  Top w0.19: 134.45,11.33 133.7,11.33 133.49,11.12 131.07,11.12 131.06,11.12 130.79,11.12 130.47,11.44
